# Altium PCB PCB.PcbDoc (part 2 of 3)
Units mm, origin at the board's own origin, x right, y up, seen from the top; angles counter-clockwise.
Board outline 120 x 70 mm, 4 copper layers (Layer 1, Layer 2, Layer 3, Layer 4), stack 1.282 mm thick; 76 components, 50 nets, 270 pads, 3097 vias.
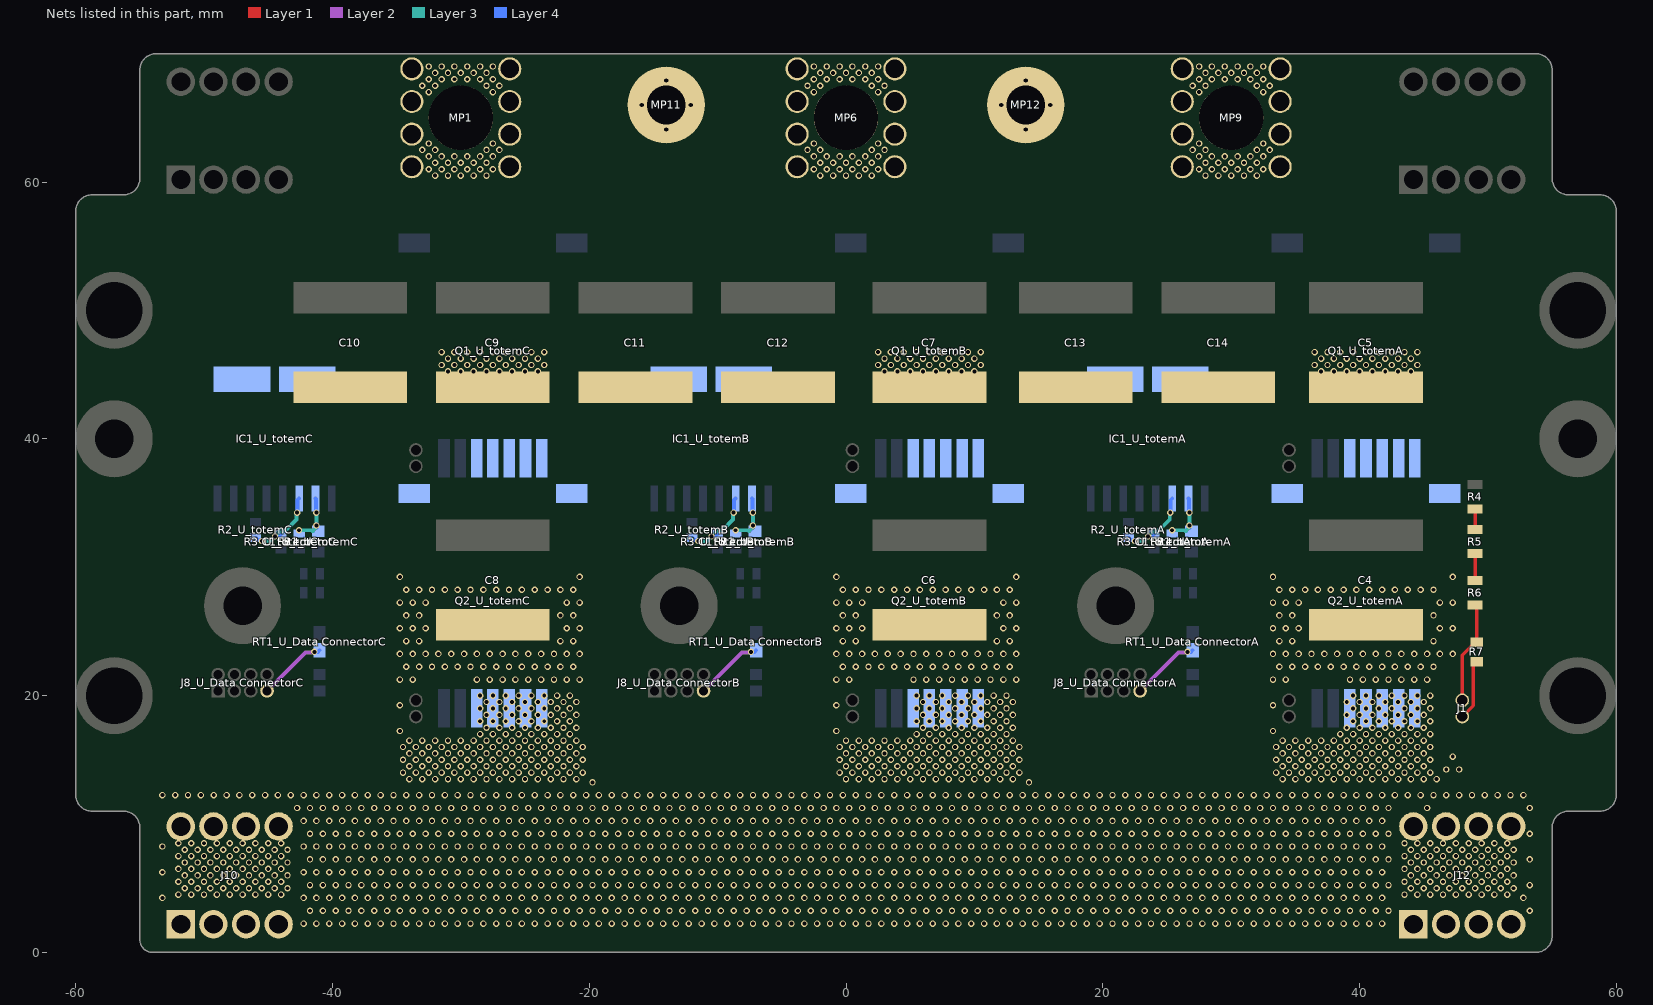
[diagram p4: the nets of this part, all layers, seen from the top]

## Via types
v1: diameter 0.5, hole 0.3, Layer 1 to Layer 4, tented both sides, 3066 vias
v2: diameter 0.635, hole 0.33, Layer 1 to Layer 4, tented both sides, 21 vias
v3: diameter 0.635, hole 0.33, Layer 1 to Layer 4, 7 vias
v4: diameter 0.45, hole 0.25, Layer 1 to Layer 4, tented both sides, 3 vias

## Nets (pads, with @x,y where several pads share a name; then routed paths per layer and width w, separated by ;. In a path a pad name is that pad's centre, name@x,y a point inside that pad or via, vN(x,y) a via of type N, cw(c..) or ccw(c..) an arc to the next point about the centre after c; other vN are vias at no path point) (continued)
HV-_1: C4.2 C5.2 C6.2 C7.2 C8.2 C9.2 C10.2 C11.2 C12.2 C13.2 C14.2 J1.2 J10.1 J10.2 J10.3 J10.4 J10.5 J10.6 J10.7 J10.8 J12.1 J12.2 J12.3 J12.4 J12.5 J12.6 J12.7 J12.8 Q2_U_totemA.S Q2_U_totemB.S Q2_U_totemC.S R7.1 | length 4.9
  Layer 1 w0.254: J1.2@48,18.365 48.86,19.225 48.86,22.399 49.212,22.75 R7.1@49.25,22.75
  other v1: -42.246,2.245 -41.246,2.245 -40.246,2.245 -39.246,2.245 -38.246,2.245 -37.246,2.245 -36.246,2.245 -35.246,2.245 -34.246,2.245 -33.246,2.245 -32.246,2.245 -31.246,2.245 -30.246,2.245 -29.246,2.245 -28.246,2.245 -27.246,2.245 -26.245,2.245 -25.245,2.245 -24.245,2.245 -23.245,2.245 -22.245,2.245 -21.245,2.245 -20.245,2.245 -19.245,2.245 -18.245,2.245 -17.245,2.245 -16.245,2.245 -15.245,2.245 -14.245,2.245 -13.245,2.245 -12.245,2.245 -11.245,2.245 -10.245,2.245 -9.245,2.245 -8.245,2.245 -7.245,2.245 -6.245,2.245 -5.245,2.245 -4.245,2.245 -3.245,2.245 -2.245,2.245 -1.245,2.245 -0.245,2.245 0.755,2.245 1.755,2.245 2.755,2.245 3.755,2.245 4.755,2.245 5.755,2.245 6.755,2.245 7.755,2.245 8.755,2.245 9.755,2.245 10.755,2.245 11.755,2.245 12.755,2.245 13.755,2.245 14.755,2.245 15.755,2.245 16.755,2.245 17.755,2.245 18.755,2.245 19.755,2.245 20.755,2.245 21.755,2.245 22.755,2.245 23.755,2.245 24.755,2.245 25.755,2.245 26.755,2.245 27.755,2.245 28.755,2.245 29.755,2.245 30.755,2.245 31.755,2.245 32.755,2.245 33.755,2.245 34.755,2.245 35.755,2.245 36.755,2.245 37.755,2.245 38.755,2.245 39.755,2.245 40.755,2.245 41.755,2.245 -41.746,3.245 -40.746,3.245 -39.746,3.245 -38.746,3.245 -37.746,3.245 -36.746,3.245 -35.746,3.245 -34.746,3.245 -33.746,3.245 -32.746,3.245 -31.746,3.245 -30.746,3.245 -29.746,3.245 -28.746,3.245 -27.746,3.245 -26.746,3.245 -25.746,3.245 -24.746,3.245 -23.745,3.245 -22.745,3.245 -21.745,3.245 -20.745,3.245 -19.745,3.245 -18.745,3.245 -17.745,3.245 -16.745,3.245 -15.745,3.245 -14.745,3.245 -13.745,3.245 -12.745,3.245 -11.745,3.245 -10.745,3.245 -9.745,3.245 -8.745,3.245 -7.745,3.245 -6.745,3.245 -5.745,3.245 -4.745,3.245 -3.745,3.245 -2.745,3.245 -1.745,3.245 -0.745,3.245 0.255,3.245 1.255,3.245 2.255,3.245 3.255,3.245 4.255,3.245 5.255,3.245 6.255,3.245 7.255,3.245 8.255,3.245 9.255,3.245 10.255,3.245 11.255,3.245 12.255,3.245 13.255,3.245 14.255,3.245 15.255,3.245 16.255,3.245 17.255,3.245 18.255,3.245 19.255,3.245 20.255,3.245 21.255,3.245 22.255,3.245 23.255,3.245 24.255,3.245 25.255,3.245 26.255,3.245 27.255,3.245 28.255,3.245 29.255,3.245 30.255,3.245 31.255,3.245 32.255,3.245 33.255,3.245 34.255,3.245 35.255,3.245 36.255,3.245 37.255,3.245 38.255,3.245 39.255,3.245 40.255,3.245 41.255,3.245 42.255,3.245 53.255,3.245 -53.246,4.245 -42.246,4.245 -41.246,4.245 -40.246,4.245 -39.246,4.245 -38.246,4.245 -37.246,4.245 -36.246,4.245 -35.246,4.245 -34.246,4.245 -33.246,4.245 -32.246,4.245 -31.246,4.245 -30.246,4.245 -29.246,4.245 -28.246,4.245 -27.246,4.245 -26.245,4.245 -25.245,4.245 -24.245,4.245 -23.245,4.245 -22.245,4.245 -21.245,4.245 -20.245,4.245 -19.245,4.245 -18.245,4.245 -17.245,4.245 -16.245,4.245 -15.245,4.245 -14.245,4.245 -13.245,4.245 -12.245,4.245 -11.245,4.245 -10.245,4.245 -9.245,4.245 -8.245,4.245 -7.245,4.245 -6.245,4.245 -5.245,4.245 -4.245,4.245 -3.245,4.245 -2.245,4.245 -1.245,4.245 -0.245,4.245 0.755,4.245 1.755,4.245 2.755,4.245 3.755,4.245 4.755,4.245 5.755,4.245 6.755,4.245 7.755,4.245 8.755,4.245 9.755,4.245 10.755,4.245 11.755,4.245 12.755,4.245 13.755,4.245 14.755,4.245 15.755,4.245 16.755,4.245 17.755,4.245 18.755,4.245 19.755,4.245 20.755,4.245 21.755,4.245 22.755,4.245 23.755,4.245 24.755,4.245 25.755,4.245 26.755,4.245 27.755,4.245 28.755,4.245 29.755,4.245 30.755,4.245 31.755,4.245 32.755,4.245 33.755,4.245 34.755,4.245 35.755,4.245 36.755,4.245 37.755,4.245 38.755,4.245 39.755,4.245 40.755,4.245 41.755,4.245 52.755,4.245 -52,4.5 -51,4.5 -50,4.5 -49,4.5 -48,4.5 -47,4.5 -46,4.5 -45,4.5 -44,4.5 43.5,4.5 44.5,4.5 45.5,4.5 46.5,4.5 47.5,4.5 48.5,4.5 49.5,4.5 50.5,4.5 51.5,4.5 -51.5,5 -50.5,5 -49.5,5 -48.5,5 -47.5,5 -46.5,5 -45.5,5 -44.5,5 -43.5,5 44,5 45,5 46,5 47,5 48,5 49,5 50,5 51,5 52,5 -41.746,5.245 -40.746,5.245 -39.746,5.245 -38.746,5.245 -37.746,5.245 -36.746,5.245 -35.746,5.245 -34.746,5.245 -33.746,5.245 -32.746,5.245 -31.746,5.245 -30.746,5.245 -29.746,5.245 -28.746,5.245 -27.746,5.245 -26.746,5.245 -25.746,5.245 -24.746,5.245 -23.745,5.245 -22.745,5.245 -21.745,5.245 -20.745,5.245 -19.745,5.245 -18.745,5.245 -17.745,5.245 -16.745,5.245 -15.745,5.245 -14.745,5.245 -13.745,5.245 -12.745,5.245 -11.745,5.245 -10.745,5.245 -9.745,5.245 -8.745,5.245 -7.745,5.245 -6.745,5.245 -5.745,5.245 -4.745,5.245 -3.745,5.245 -2.745,5.245 -1.745,5.245 -0.745,5.245 0.255,5.245 1.255,5.245 2.255,5.245 3.255,5.245 4.255,5.245 5.255,5.245 6.255,5.245 7.255,5.245 8.255,5.245 9.255,5.245 10.255,5.245 11.255,5.245 12.255,5.245 13.255,5.245 14.255,5.245 15.255,5.245 16.255,5.245 17.255,5.245 18.255,5.245 19.255,5.245 20.255,5.245 21.255,5.245 22.255,5.245 23.255,5.245 24.255,5.245 25.255,5.245 26.255,5.245 27.255,5.245 28.255,5.245 29.255,5.245 30.255,5.245 31.255,5.245 32.255,5.245 33.255,5.245 34.255,5.245 35.255,5.245 36.255,5.245 37.255,5.245 38.255,5.245 39.255,5.245 40.255,5.245 41.255,5.245 42.255,5.245 53.255,5.245 -52,5.5 -51,5.5 -50,5.5 -49,5.5 -48,5.5 -47,5.5 -46,5.5 -45,5.5 -44,5.5 43.5,5.5 44.5,5.5 45.5,5.5 46.5,5.5 47.5,5.5 48.5,5.5 49.5,5.5 50.5,5.5 51.5,5.5 -51.5,6 -50.5,6 -49.5,6 -48.5,6 -47.5,6 -46.5,6 -45.5,6 -44.5,6 -43.5,6 44,6 45,6 46,6 47,6 48,6 49,6 50,6 51,6 52,6 -53.246,6.245 -42.246,6.245 -41.246,6.245 -40.246,6.245 -39.246,6.245 -38.246,6.245 -37.246,6.245 -36.246,6.245 -35.246,6.245 -34.246,6.245 -33.246,6.245 -32.246,6.245 -31.246,6.245 -30.246,6.245 -29.246,6.245 -28.246,6.245 -27.246,6.245 -26.245,6.245 -25.245,6.245 -24.245,6.245 -23.245,6.245 -22.245,6.245 -21.245,6.245 -20.245,6.245 -19.245,6.245 -18.245,6.245 -17.245,6.245 -16.245,6.245 -15.245,6.245 -14.245,6.245 -13.245,6.245 -12.245,6.245 -11.245,6.245 -10.245,6.245 -9.245,6.245 -8.245,6.245 -7.245,6.245 -6.245,6.245 -5.245,6.245 -4.245,6.245 -3.245,6.245 -2.245,6.245 -1.245,6.245 -0.245,6.245 0.755,6.245 1.755,6.245 2.755,6.245 3.755,6.245 4.755,6.245 5.755,6.245 6.755,6.245 7.755,6.245 8.755,6.245 9.755,6.245 10.755,6.245 11.755,6.245 12.755,6.245 13.755,6.245 14.755,6.245 15.755,6.245 16.755,6.245 17.755,6.245 18.755,6.245 19.755,6.245 20.755,6.245 21.755,6.245 22.755,6.245 23.755,6.245 24.755,6.245 25.755,6.245 26.755,6.245 27.755,6.245 28.755,6.245 29.755,6.245 30.755,6.245 31.755,6.245 32.755,6.245 33.755,6.245 34.755,6.245 35.755,6.245 36.755,6.245 37.755,6.245 38.755,6.245 39.755,6.245 40.755,6.245 41.755,6.245 -52,6.5 -51,6.5 -50,6.5 -49,6.5 -48,6.5 -47,6.5 -46,6.5 -45,6.5 -44,6.5 43.5,6.5 44.5,6.5 45.5,6.5 46.5,6.5 47.5,6.5 48.5,6.5 49.5,6.5 50.5,6.5 51.5,6.5 -51.5,7 -50.5,7 -49.5,7 -48.5,7 -47.5,7 -46.5,7 -45.5,7 -44.5,7 -43.5,7 44,7 45,7 46,7 47,7 48,7 49,7 50,7 51,7 52,7 -41.746,7.245 -40.746,7.245 -39.746,7.245 -38.746,7.245 -37.746,7.245 -36.746,7.245 -35.746,7.245 -34.746,7.245 -33.746,7.245 -32.746,7.245 -31.746,7.245 -30.746,7.245 -29.746,7.245 -28.746,7.245 -27.746,7.245 -26.746,7.245 -25.746,7.245 -24.746,7.245 -23.745,7.245 -22.745,7.245 -21.745,7.245 -20.745,7.245 -19.745,7.245 -18.745,7.245 -17.745,7.245 -16.745,7.245 -15.745,7.245 -14.745,7.245 -13.745,7.245 -12.745,7.245 -11.745,7.245 -10.745,7.245 -9.745,7.245 -8.745,7.245 -7.745,7.245 -6.745,7.245 -5.745,7.245 -4.745,7.245 -3.745,7.245 -2.745,7.245 -1.745,7.245 -0.745,7.245 0.255,7.245 1.255,7.245 2.255,7.245 3.255,7.245 4.255,7.245 5.255,7.245 6.255,7.245 7.255,7.245 8.255,7.245 9.255,7.245 10.255,7.245 11.255,7.245 12.255,7.245 13.255,7.245 14.255,7.245 15.255,7.245 16.255,7.245 17.255,7.245 18.255,7.245 19.255,7.245 20.255,7.245 21.255,7.245 22.255,7.245 23.255,7.245 24.255,7.245 25.255,7.245 26.255,7.245 27.255,7.245 28.255,7.245 29.255,7.245 30.255,7.245 31.255,7.245 32.255,7.245 33.255,7.245 34.255,7.245 35.255,7.245 36.255,7.245 37.255,7.245 38.255,7.245 39.255,7.245 40.255,7.245 41.255,7.245 42.255,7.245 53.255,7.245 -52,7.5 -51,7.5 -50,7.5 -49,7.5 -48,7.5 -47,7.5 -46,7.5 -45,7.5 -44,7.5 43.5,7.5 44.5,7.5 45.5,7.5 46.5,7.5 47.5,7.5 48.5,7.5 49.5,7.5 50.5,7.5 51.5,7.5 -51.5,8 -50.5,8 -49.5,8 -48.5,8 -47.5,8 -46.5,8 -45.5,8 -44.5,8 -43.5,8 44,8 45,8 46,8 47,8 48,8 49,8 50,8 51,8 52,8 -53.246,8.245 -42.246,8.245 -41.246,8.245 -40.246,8.245 -39.246,8.245 -38.246,8.245 -37.246,8.245 -36.246,8.245 -35.246,8.245 -34.246,8.245 -33.246,8.245 -32.246,8.245 -31.246,8.245 -30.246,8.245 -29.246,8.245 -28.246,8.245 -27.246,8.245 -26.245,8.245 -25.245,8.245 -24.245,8.245 -23.245,8.245 -22.245,8.245 -21.245,8.245 -20.245,8.245 -19.245,8.245 -18.245,8.245 -17.245,8.245 -16.245,8.245 -15.245,8.245 -14.245,8.245 -13.245,8.245 -12.245,8.245 -11.245,8.245 -10.245,8.245 -9.245,8.245 -8.245,8.245 -7.245,8.245 -6.245,8.245 -5.245,8.245 -4.245,8.245 -3.245,8.245 -2.245,8.245 -1.245,8.245 -0.245,8.245 0.755,8.245 1.755,8.245 2.755,8.245 3.755,8.245 4.755,8.245 5.755,8.245 6.755,8.245 7.755,8.245 8.755,8.245 9.755,8.245 10.755,8.245 11.755,8.245 12.755,8.245 13.755,8.245 14.755,8.245 15.755,8.245 16.755,8.245 17.755,8.245 18.755,8.245 19.755,8.245 20.755,8.245 21.755,8.245 22.755,8.245 23.755,8.245 24.755,8.245 25.755,8.245 26.755,8.245 27.755,8.245 28.755,8.245 29.755,8.245 30.755,8.245 31.755,8.245 32.755,8.245 33.755,8.245 34.755,8.245 35.755,8.245 36.755,8.245 37.755,8.245 38.755,8.245 39.755,8.245 40.755,8.245 41.755,8.245 -52,8.5 -51,8.5 -50,8.5 -49,8.5 -48,8.5 -47,8.5 -46,8.5 -45,8.5 -44,8.5 43.5,8.5 44.5,8.5 45.5,8.5 46.5,8.5 47.5,8.5 48.5,8.5 49.5,8.5 50.5,8.5 51.5,8.5 -41.746,9.245 -40.746,9.245 -39.746,9.245 -38.746,9.245 -37.746,9.245 -36.746,9.245 -35.746,9.245 -34.746,9.245 -33.746,9.245 -32.746,9.245 -31.746,9.245 -30.746,9.245 -29.746,9.245 -28.746,9.245 -27.746,9.245 -26.746,9.245 -25.746,9.245 -24.746,9.245 -23.745,9.245 -22.745,9.245 -21.745,9.245 -20.745,9.245 -19.745,9.245 -18.745,9.245 -17.745,9.245 -16.745,9.245 -15.745,9.245 -14.745,9.245 -13.745,9.245 -12.745,9.245 -11.745,9.245 -10.745,9.245 -9.745,9.245 -8.745,9.245 -7.745,9.245 -6.745,9.245 -5.745,9.245 -4.745,9.245 -3.745,9.245 -2.745,9.245 -1.745,9.245 -0.745,9.245 0.255,9.245 1.255,9.245 2.255,9.245 3.255,9.245 4.255,9.245 5.255,9.245 6.255,9.245 7.255,9.245 8.255,9.245 9.255,9.245 10.255,9.245 11.255,9.245 12.255,9.245 13.255,9.245 14.255,9.245 15.255,9.245 16.255,9.245 17.255,9.245 18.255,9.245 19.255,9.245 20.255,9.245 21.255,9.245 22.255,9.245 23.255,9.245 24.255,9.245 25.255,9.245 26.255,9.245 27.255,9.245 28.255,9.245 29.255,9.245 30.255,9.245 31.255,9.245 32.255,9.245 33.255,9.245 34.255,9.245 35.255,9.245 36.255,9.245 37.255,9.245 38.255,9.245 39.255,9.245 40.255,9.245 41.255,9.245 42.255,9.245 53.255,9.245 -42.246,10.245 -41.246,10.245 -40.246,10.245 -39.246,10.245 -38.246,10.245 -37.246,10.245 -36.246,10.245 -35.246,10.245 -34.246,10.245 -33.246,10.245 -32.246,10.245 -31.246,10.245 -30.246,10.245 -29.246,10.245 -28.246,10.245 -27.246,10.245 -26.245,10.245 -25.245,10.245 -24.245,10.245 -23.245,10.245 -22.245,10.245 -21.245,10.245 -20.245,10.245 -19.245,10.245 -18.245,10.245 -17.245,10.245 -16.245,10.245 -15.245,10.245 -14.245,10.245 -13.245,10.245 -12.245,10.245 -11.245,10.245 -10.245,10.245 -9.245,10.245 -8.245,10.245 -7.245,10.245 -6.245,10.245 -5.245,10.245 -4.245,10.245 -3.245,10.245 -2.245,10.245 -1.245,10.245 -0.245,10.245 0.755,10.245 1.755,10.245 2.755,10.245 3.755,10.245 4.755,10.245 5.755,10.245 6.755,10.245 7.755,10.245 8.755,10.245 9.755,10.245 10.755,10.245 11.755,10.245 12.755,10.245 13.755,10.245 14.755,10.245 15.755,10.245 16.755,10.245 17.755,10.245 18.755,10.245 19.755,10.245 20.755,10.245 21.755,10.245 22.755,10.245 23.755,10.245 24.755,10.245 25.755,10.245 26.755,10.245 27.755,10.245 28.755,10.245 29.755,10.245 30.755,10.245 31.755,10.245 32.755,10.245 33.755,10.245 34.755,10.245 35.755,10.245 36.755,10.245 37.755,10.245 38.755,10.245 39.755,10.245 40.755,10.245 41.755,10.245 -42.746,11.245 -41.746,11.245 -40.746,11.245 -39.746,11.245 -38.746,11.245 -37.746,11.245 -36.746,11.245 -35.746,11.245 -34.746,11.245 -33.746,11.245 -32.746,11.245 -31.746,11.245 -30.746,11.245 -29.746,11.245 -28.746,11.245 -27.746,11.245 -26.746,11.245 -25.746,11.245 -24.746,11.245 -23.745,11.245 -22.745,11.245 -21.745,11.245 -20.745,11.245 -19.745,11.245 -18.745,11.245 -17.745,11.245 -16.745,11.245 -15.745,11.245 -14.745,11.245 -13.745,11.245 -12.745,11.245 -11.745,11.245 -10.745,11.245 -9.745,11.245 -8.745,11.245 -7.745,11.245 -6.745,11.245 -5.745,11.245 -4.745,11.245 -3.745,11.245 -2.745,11.245 -1.745,11.245 -0.745,11.245 0.255,11.245 1.255,11.245 2.255,11.245 3.255,11.245 4.255,11.245 5.255,11.245 6.255,11.245 7.255,11.245 8.255,11.245 9.255,11.245 10.255,11.245 11.255,11.245 12.255,11.245 13.255,11.245 14.255,11.245 15.255,11.245 16.255,11.245 17.255,11.245 18.255,11.245 19.255,11.245 20.255,11.245 21.255,11.245 22.255,11.245 23.255,11.245 24.255,11.245 25.255,11.245 26.255,11.245 27.255,11.245 28.255,11.245 29.255,11.245 30.255,11.245 31.255,11.245 32.255,11.245 33.255,11.245 34.255,11.245 35.255,11.245 36.255,11.245 37.255,11.245 38.255,11.245 39.255,11.245 40.255,11.245 41.255,11.245 42.255,11.245 45.255,11.245 53.255,11.245 -53.246,12.245 -52.246,12.245 -51.246,12.245 -50.246,12.245 -49.246,12.245 -48.246,12.245 -47.246,12.245 -46.246,12.245 -45.246,12.245 -44.246,12.245 -43.246,12.245 -42.246,12.245 -41.246,12.245 -40.246,12.245 -39.246,12.245 -38.246,12.245 -37.246,12.245 -36.246,12.245 -35.246,12.245 -34.246,12.245 -33.246,12.245 -32.246,12.245 -31.246,12.245 -30.246,12.245 -29.246,12.245 -28.246,12.245 -27.246,12.245 -26.245,12.245 -25.245,12.245 -24.245,12.245 -23.245,12.245 -22.245,12.245 -21.245,12.245 -20.245,12.245 -19.245,12.245 -18.245,12.245 -17.245,12.245 -16.245,12.245 -15.245,12.245 -14.245,12.245 -13.245,12.245 -12.245,12.245 -11.245,12.245 -10.245,12.245 -9.245,12.245 -8.245,12.245 -7.245,12.245 -6.245,12.245 -5.245,12.245 -4.245,12.245 -3.245,12.245 -2.245,12.245 -1.245,12.245 -0.245,12.245 0.755,12.245 1.755,12.245 2.755,12.245 3.755,12.245 4.755,12.245 5.755,12.245 6.755,12.245 7.755,12.245 8.755,12.245 9.755,12.245 10.755,12.245 11.755,12.245 12.755,12.245 13.755,12.245 14.755,12.245 15.755,12.245 16.755,12.245 17.755,12.245 18.755,12.245 19.755,12.245 20.755,12.245 21.755,12.245 22.755,12.245 23.755,12.245 24.755,12.245 25.755,12.245 26.755,12.245 27.755,12.245 28.755,12.245 29.755,12.245 30.755,12.245 31.755,12.245 32.755,12.245 33.755,12.245 34.755,12.245 35.755,12.245 36.755,12.245 37.755,12.245 38.755,12.245 39.755,12.245 40.755,12.245 41.755,12.245 42.755,12.245 43.755,12.245 44.755,12.245 45.755,12.245 46.755,12.245 47.755,12.245 48.755,12.245 49.755,12.245 50.755,12.245 51.755,12.245 52.755,12.245 -19.745,13.245 14.255,13.245 -34,13.5 -33,13.5 -32,13.5 -31,13.5 -30,13.5 -29,13.5 -28,13.5 -27,13.5 -26,13.5 -25,13.5 -24,13.5 -23,13.5 -22,13.5 -21,13.5 0,13.5 1,13.5 2,13.5 3,13.5 4,13.5 5,13.5 6,13.5 7,13.5 8,13.5 9,13.5 10,13.5 11,13.5 12,13.5 13,13.5 34,13.5 35,13.5 36,13.5 37,13.5 38,13.5 39,13.5 40,13.5 41,13.5 42,13.5 43,13.5 44,13.5 45,13.5 46,13.5 -34.5,14 -33.5,14 -32.5,14 -31.5,14 -30.5,14 -29.5,14 -28.5,14 -27.5,14 -26.5,14 -25.5,14 -24.5,14 -23.5,14 -22.5,14 -21.5,14 -20.5,14 -0.5,14 0.5,14 1.5,14 2.5,14 3.5,14 4.5,14 5.5,14 6.5,14 7.5,14 8.5,14 9.5,14 10.5,14 11.5,14 12.5,14 13.5,14 33.5,14 34.5,14 35.5,14 36.5,14 37.5,14 38.5,14 39.5,14 40.5,14 41.5,14 42.5,14 43.5,14 44.5,14 45.5,14 46.755,14.245 47.755,14.245 -34,14.5 -33,14.5 -32,14.5 -31,14.5 -30,14.5 -29,14.5 -28,14.5 -27,14.5 -26,14.5 -25,14.5 -24,14.5 -23,14.5 -22,14.5 -21,14.5 0,14.5 1,14.5 2,14.5 3,14.5 4,14.5 5,14.5 6,14.5 7,14.5 8,14.5 9,14.5 10,14.5 11,14.5 12,14.5 13,14.5 34,14.5 35,14.5 36,14.5 37,14.5 38,14.5 39,14.5 40,14.5 41,14.5 42,14.5 43,14.5 44,14.5 45,14.5 -34.5,15 -33.5,15 -32.5,15 -31.5,15 -30.5,15 -29.5,15 -28.5,15 -27.5,15 -26.5,15 -25.5,15 -24.5,15 -23.5,15 -22.5,15 -21.5,15 -20.5,15 -0.5,15 0.5,15 1.5,15 2.5,15 3.5,15 4.5,15 5.5,15 6.5,15 7.5,15 8.5,15 9.5,15 10.5,15 11.5,15 12.5,15 13.5,15 33.5,15 34.5,15 35.5,15 36.5,15 37.5,15 38.5,15 39.5,15 40.5,15 41.5,15 42.5,15 43.5,15 44.5,15 45.5,15 47.255,15.245 -34,15.5 -33,15.5 -32,15.5 -31,15.5 -30,15.5 -29,15.5 -28,15.5 -27,15.5 -26,15.5 -25,15.5 -24,15.5 -23,15.5 -22,15.5 -21,15.5 0,15.5 1,15.5 2,15.5 3,15.5 4,15.5 5,15.5 6,15.5 7,15.5 8,15.5 9,15.5 10,15.5 11,15.5 12,15.5 13,15.5 34,15.5 35,15.5 36,15.5 37,15.5 38,15.5 39,15.5 40,15.5 41,15.5 42,15.5 43,15.5 44,15.5 45,15.5 -34.5,16 -33.5,16 -32.5,16 -31.5,16 -30.5,16 -29.5,16 -28.5,16 -27.5,16 -26.5,16 -25.5,16 -24.5,16 -23.5,16 -22.5,16 -21.5,16 -20.5,16 -0.5,16 0.5,16 1.5,16 2.5,16 3.5,16 4.5,16 5.5,16 6.5,16 7.5,16 8.5,16 9.5,16 10.5,16 11.5,16 12.5,16 13.5,16 33.5,16 34.5,16 35.5,16 36.5,16 37.5,16 38.5,16 39.5,16 40.5,16 41.5,16 42.5,16 43.5,16 44.5,16 45.5,16 -34,16.5 -33,16.5 -32,16.5 -31,16.5 -30,16.5 -29,16.5 -28,16.5 -27,16.5 -26,16.5 -25,16.5 -24,16.5 -23,16.5 -22,16.5 -21,16.5 0,16.5 1,16.5 2,16.5 3,16.5 4,16.5 5,16.5 6,16.5 7,16.5 8,16.5 9,16.5 10,16.5 11,16.5 12,16.5 13,16.5 34,16.5 35,16.5 36,16.5 37,16.5 38,16.5 39,16.5 40,16.5 41,16.5 42,16.5 43,16.5 44,16.5 45,16.5 -28.5,17 -27.5,17 -26.5,17 -25.5,17 -24.5,17 -23.5,17 -22.5,17 -21.5,17 5.5,17 6.5,17 7.5,17 8.5,17 9.5,17 10.5,17 11.5,17 12.5,17 38.5,17 39.5,17 40.5,17 41.5,17 42.5,17 43.5,17 44.5,17 45.5,17 -34.746,17.245 -0.745,17.245 33.255,17.245 -28,17.5 -27,17.5 -26,17.5 -25,17.5 -24,17.5 -23,17.5 -22,17.5 -21,17.5 6,17.5 7,17.5 8,17.5 9,17.5 10,17.5 11,17.5 12,17.5 13,17.5 39,17.5 40,17.5 41,17.5 42,17.5 43,17.5 44,17.5 45,17.5 -28.5,18 -27.5,18 -26.5,18 -25.5,18 -24.5,18 -23.5,18 -22.5,18 -21.5,18 5.5,18 6.5,18 7.5,18 8.5,18 9.5,18 10.5,18 11.5,18 12.5,18 39.5,18 40.5,18 41.5,18 42.5,18 43.5,18 44.5,18 45.5,18 -28,18.5 -27,18.5 -26,18.5 -25,18.5 -24,18.5 -23,18.5 -22,18.5 -21,18.5 6,18.5 7,18.5 8,18.5 9,18.5 10,18.5 11,18.5 12,18.5 13,18.5 39,18.5 40,18.5 41,18.5 42,18.5 43,18.5 44,18.5 45,18.5 -28.5,19 -27.5,19 -26.5,19 -25.5,19 -24.5,19 -23.5,19 -22.5,19 -21.5,19 5.5,19 6.5,19 7.5,19 8.5,19 9.5,19 10.5,19 11.5,19 12.5,19 39.5,19 40.5,19 41.5,19 42.5,19 43.5,19 44.5,19 45.5,19 -34.746,19.245 -0.745,19.245 33.255,19.245 -28,19.5 -27,19.5 -26,19.5 -25,19.5 -24,19.5 -23,19.5 -22,19.5 -21,19.5 6,19.5 7,19.5 8,19.5 9,19.5 10,19.5 11,19.5 12,19.5 13,19.5 39,19.5 40,19.5 41,19.5 42,19.5 43,19.5 44,19.5 45,19.5 -28.5,20 -27.5,20 -26.5,20 -25.5,20 -24.5,20 -23.5,20 -22.5,20 -21.5,20 5.5,20 6.5,20 7.5,20 8.5,20 9.5,20 10.5,20 11.5,20 12.5,20 39.5,20 40.5,20 41.5,20 42.5,20 43.5,20 44.5,20 45.5,20 -34.746,21.245 -33.746,21.245 -28.746,21.245 -27.746,21.245 -26.746,21.245 -25.746,21.245 -24.746,21.245 -23.745,21.245 -22.745,21.245 -21.745,21.245 -20.745,21.245 -0.745,21.245 0.255,21.245 5.255,21.245 6.255,21.245 7.255,21.245 8.255,21.245 9.255,21.245 10.255,21.245 11.255,21.245 12.255,21.245 13.255,21.245 33.255,21.245 34.255,21.245 39.255,21.245 40.255,21.245 41.255,21.245 42.255,21.245 43.255,21.245 44.255,21.245 45.255,21.245 -34.246,22.245 -33.246,22.245 -32.246,22.245 -31.246,22.245 -30.246,22.245 -29.246,22.245 -28.246,22.245 -27.246,22.245 -26.245,22.245 -25.245,22.245 -24.245,22.245 -23.245,22.245 -22.245,22.245 -21.245,22.245 -0.245,22.245 0.755,22.245 1.755,22.245 2.755,22.245 3.755,22.245 4.755,22.245 5.755,22.245 6.755,22.245 7.755,22.245 8.755,22.245 9.755,22.245 10.755,22.245 11.755,22.245 12.755,22.245 33.755,22.245 34.755,22.245 35.755,22.245 36.755,22.245 37.755,22.245 38.755,22.245 39.755,22.245 40.755,22.245 41.755,22.245 42.755,22.245 43.755,22.245 44.755,22.245 45.755,22.245 -34.746,23.245 -33.746,23.245 -32.746,23.245 -31.746,23.245 -30.746,23.245 -29.746,23.245 -28.746,23.245 -27.746,23.245 -26.746,23.245 -25.746,23.245 -24.746,23.245 -23.745,23.245 -22.745,23.245 -21.745,23.245 -20.745,23.245 -0.745,23.245 0.255,23.245 1.255,23.245 2.255,23.245 3.255,23.245 4.255,23.245 5.255,23.245 6.255,23.245 7.255,23.245 8.255,23.245 9.255,23.245 10.255,23.245 11.255,23.245 12.255,23.245 13.255,23.245 33.255,23.245 34.255,23.245 35.255,23.245 36.255,23.245 37.255,23.245 38.255,23.245 39.255,23.245 40.255,23.245 41.255,23.245 42.255,23.245 43.255,23.245 44.255,23.245 45.255,23.245 46.255,23.245 47.255,23.245 -34.246,24.245 -33.246,24.245 -22.245,24.245 -21.245,24.245 -0.245,24.245 0.755,24.245 11.755,24.245 12.755,24.245 33.755,24.245 34.755,24.245 45.755,24.245 -34.746,25.245 -33.746,25.245 -32.746,25.245 -21.745,25.245 -20.745,25.245 -0.745,25.245 0.255,25.245 1.255,25.245 12.255,25.245 13.255,25.245 33.255,25.245 34.255,25.245 35.255,25.245 46.255,25.245 47.255,25.245 -34.246,26.245 -33.246,26.245 -22.245,26.245 -21.245,26.245 -0.245,26.245 0.755,26.245 11.755,26.245 12.755,26.245 33.755,26.245 34.755,26.245 45.755,26.245 -34.746,27.245 -33.746,27.245 -32.746,27.245 -21.745,27.245 -20.745,27.245 -0.745,27.245 0.255,27.245 1.255,27.245 12.255,27.245 13.255,27.245 33.255,27.245 34.255,27.245 35.255,27.245 46.255,27.245 47.255,27.245 -34.246,28.245 -33.246,28.245 -32.246,28.245 -31.246,28.245 -30.246,28.245 -29.246,28.245 -28.246,28.245 -27.246,28.245 -26.245,28.245 -25.245,28.245 -24.245,28.245 -23.245,28.245 -22.245,28.245 -21.245,28.245 -0.245,28.245 0.755,28.245 1.755,28.245 2.755,28.245 3.755,28.245 4.755,28.245 5.755,28.245 6.755,28.245 7.755,28.245 8.755,28.245 9.755,28.245 10.755,28.245 11.755,28.245 12.755,28.245 33.755,28.245 34.755,28.245 35.755,28.245 36.755,28.245 37.755,28.245 38.755,28.245 39.755,28.245 40.755,28.245 41.755,28.245 42.755,28.245 43.755,28.245 44.755,28.245 45.755,28.245 -34.746,29.245 -20.745,29.245 -0.745,29.245 13.255,29.245 33.255,29.245 47.255,29.245 -31,45.25 -30,45.25 -29,45.25 -28,45.25 -27,45.25 -26,45.25 -25,45.25 -24,45.25 3,45.25 4,45.25 5,45.25 6,45.25 7,45.25 8,45.25 9,45.25 10,45.25 37,45.25 38,45.25 39,45.25 40,45.25 41,45.25 42,45.25 43,45.25 44,45.25 -31.5,45.75 -30.5,45.75 -29.5,45.75 -28.5,45.75 -27.5,45.75 -26.5,45.75 -25.5,45.75 -24.5,45.75 -23.5,45.75 2.5,45.75 3.5,45.75 4.5,45.75 5.5,45.75 6.5,45.75 7.5,45.75 8.5,45.75 9.5,45.75 10.5,45.75 36.5,45.75 37.5,45.75 38.5,45.75 39.5,45.75 40.5,45.75 41.5,45.75 42.5,45.75 43.5,45.75 44.5,45.75 -31,46.25 -30,46.25 -29,46.25 -28,46.25 -27,46.25 -26,46.25 -25,46.25 -24,46.25 3,46.25 4,46.25 5,46.25 6,46.25 7,46.25 8,46.25 9,46.25 10,46.25 37,46.25 38,46.25 39,46.25 40,46.25 41,46.25 42,46.25 43,46.25 44,46.25 -31.5,46.75 -30.5,46.75 -29.5,46.75 -28.5,46.75 -27.5,46.75 -26.5,46.75 -25.5,46.75 -24.5,46.75 -23.5,46.75 2.5,46.75 3.5,46.75 4.5,46.75 5.5,46.75 6.5,46.75 7.5,46.75 8.5,46.75 9.5,46.75 10.5,46.75 36.5,46.75 37.5,46.75 38.5,46.75 39.5,46.75 40.5,46.75 41.5,46.75 42.5,46.75 43.5,46.75 44.5,46.75